# Altium PCB MINIBLDC.PcbDoc
Units mil, origin at the board's own origin, x right, y up, seen from the top; angles counter-clockwise.
Board outline 3475 x 2200 mil, 2 copper layers (Top Layer, Bottom Layer); 126 components, 113 nets, 397 pads, 154 vias.
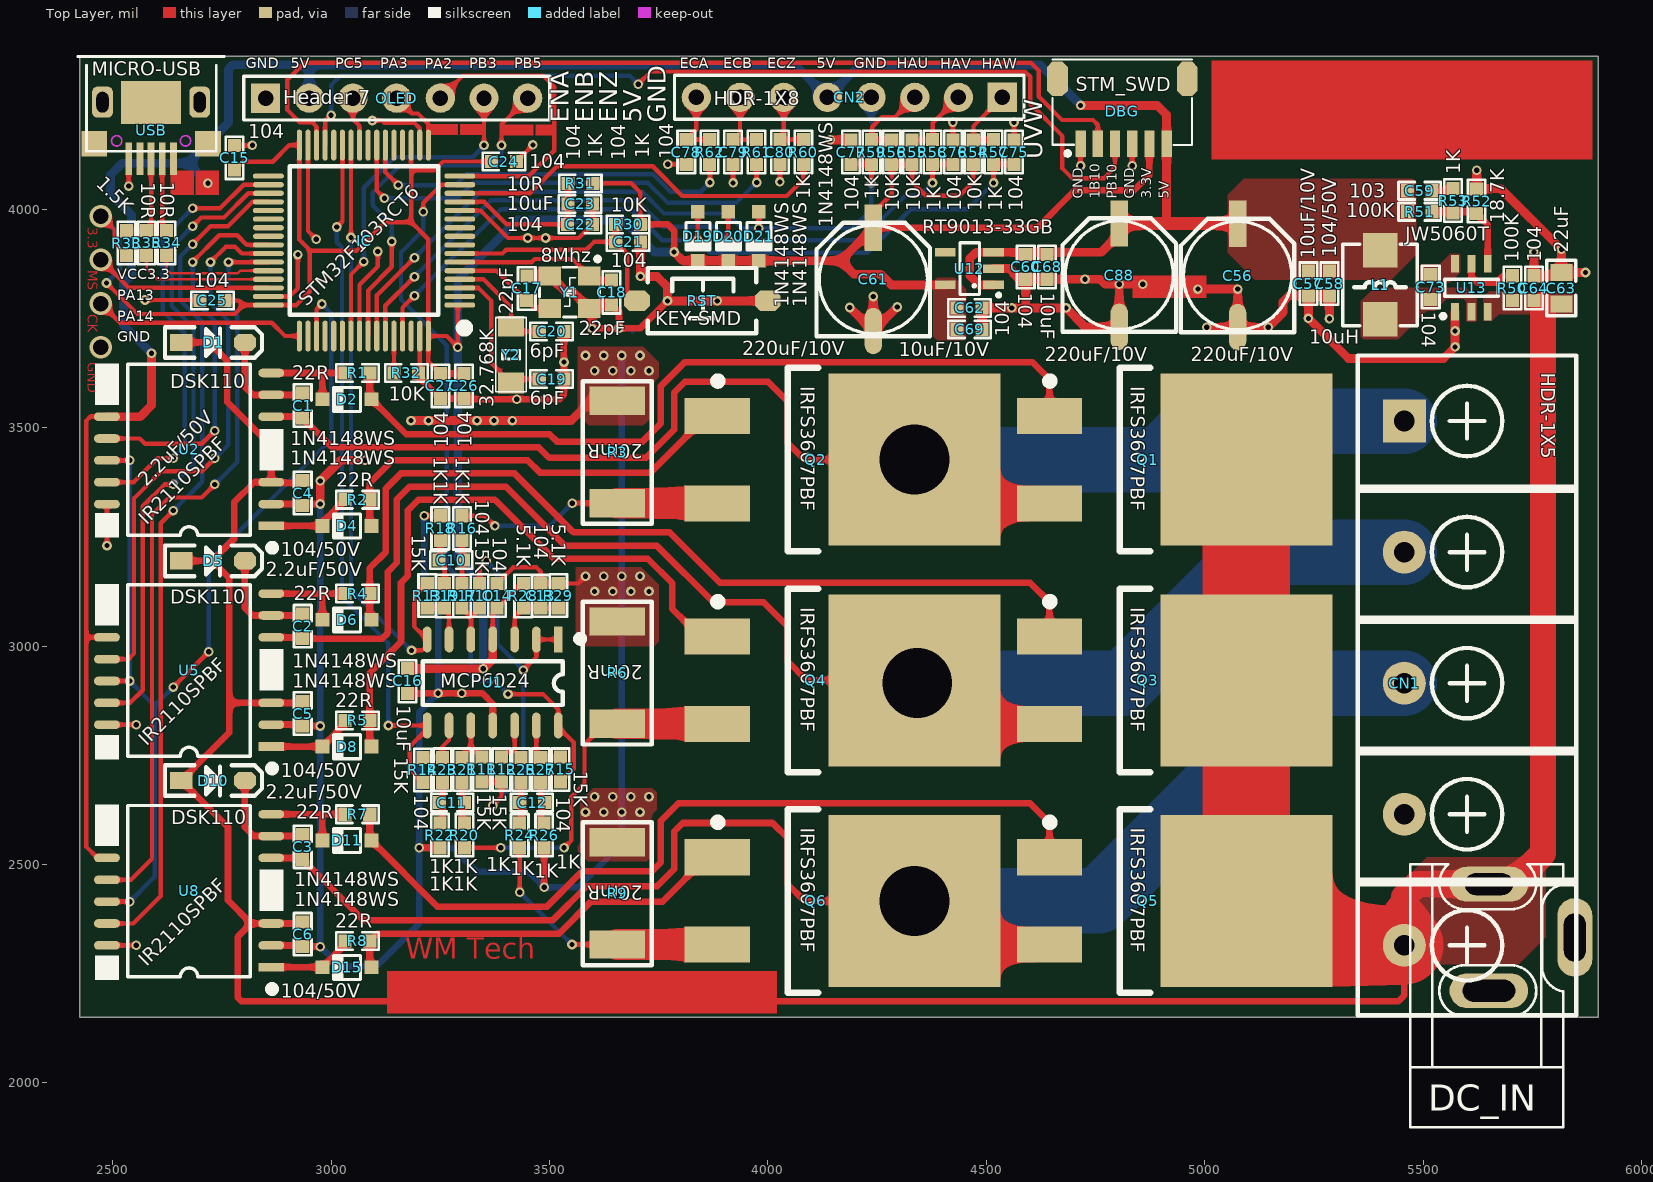
[diagram p0: Top Layer view]
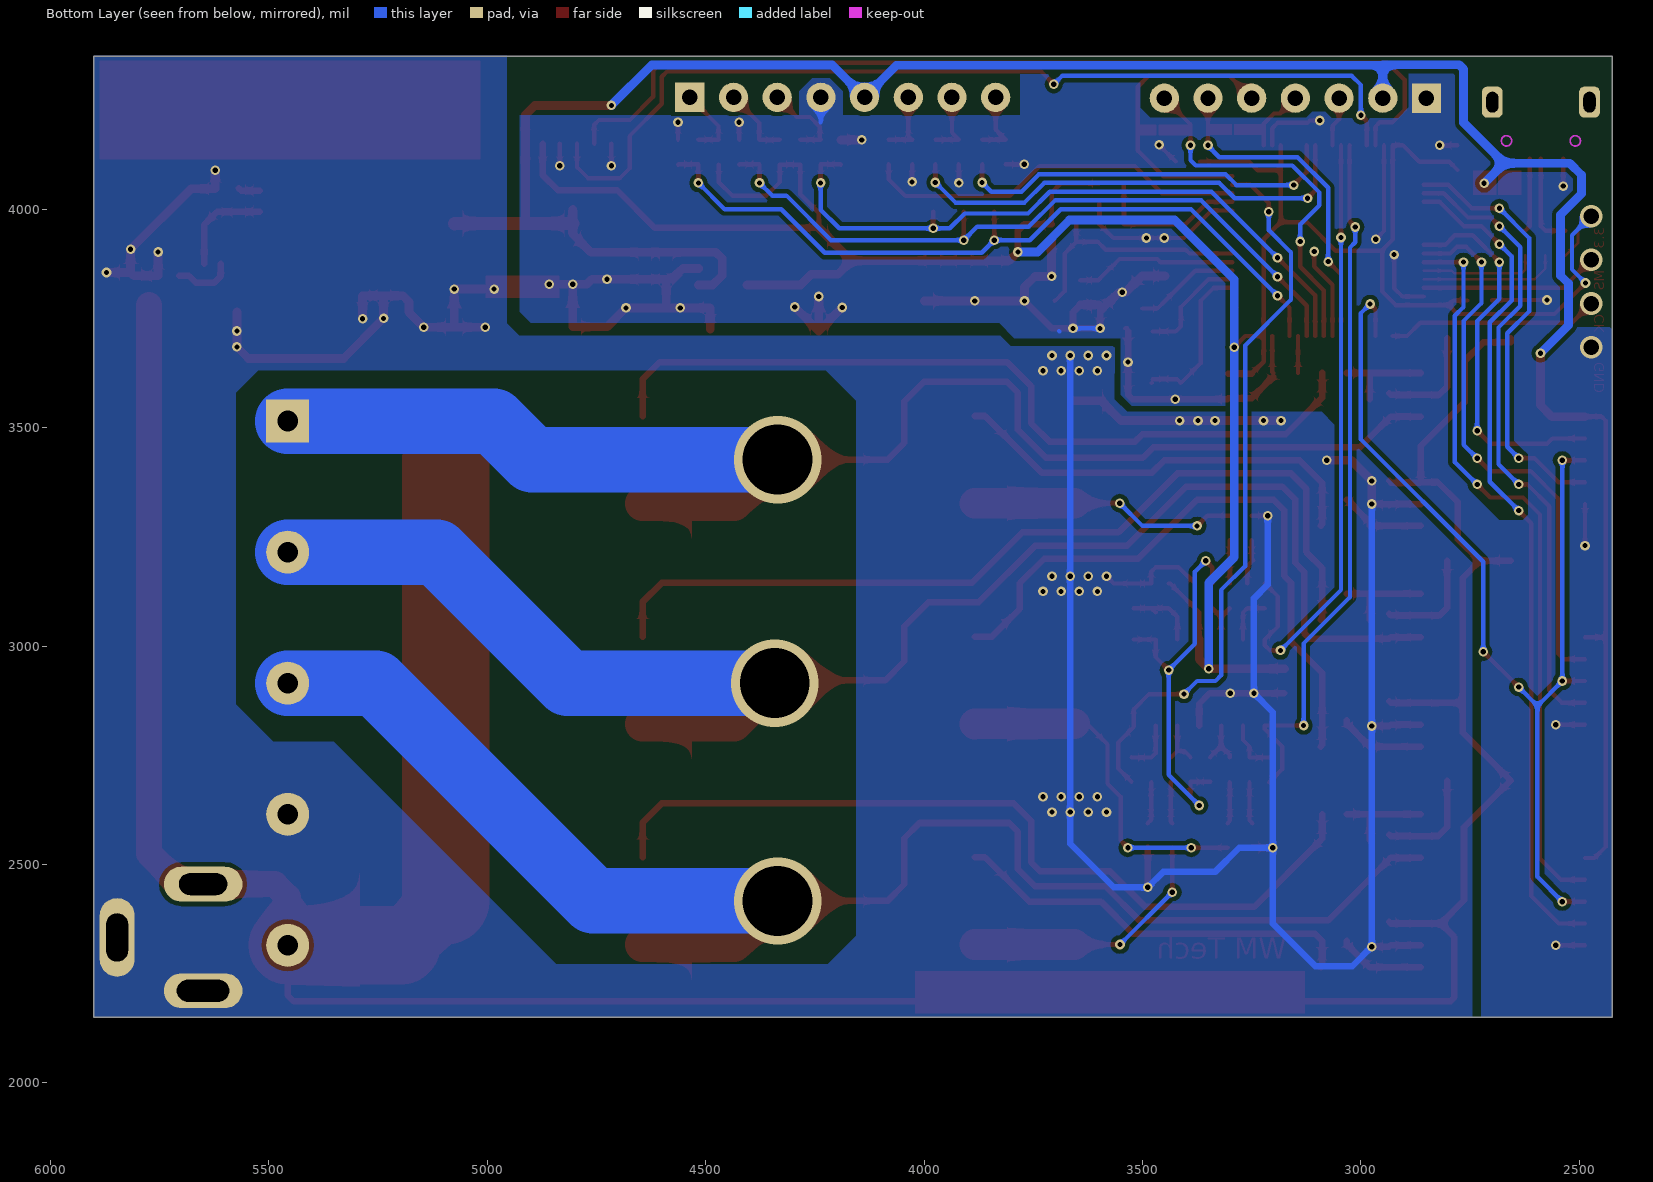
[diagram p1: Bottom Layer view, seen from below]

## Layer stack, top to bottom
Top Solder: solder mask 0.4, Solder Resist, Dk 3.5
Top Layer: signal copper 1.4
Dielectric 1: dielectric 12.6, FR-4, Dk 4.8
Bottom Layer: signal copper 1.4
Bottom Solder: solder mask 0.4, Solder Resist, Dk 3.5

## Board outline
2425,2150 5900,2150 5900,4350 2425,4350

## Design rules (kind name [scope] priority, off if disabled: settings)
Clearance [All] p1: gap=10 except(2: Arc-SMDPad Track-SMDPad SMDPad-SMDPad; 5: Arc-Track Track-Track)
HoleToHoleClearance [All] p1: gap=5 allowstackedmicrovias=TRUE
MinimumSolderMaskSliver [All] p1: minsoldermaskwidth=3
PlaneConnect [All] p1: planeconnectstyle=Direct reliefexpansion=20 reliefentries=4 reliefconductorwidth=10 reliefairgap=10
PolygonConnect [All] p1: connectstyle=Direct reliefconductorwidth=10 reliefentries=4 polygonreliefangle="90 Angle" airgapwidth=10
RoutingVias [All] p1: holewidth=12 width=22 viastyle="Through Hole" minholewidth=12 minwidth=22 maxholewidth=200 maxwidth=500
SilkToSilkClearance [All] p1: silktosilkclearance=2
SilkToSolderMaskClearance [IsPad] p1 off: minsilkscreentomaskgap=10 clearancetoexposedcopper=TRUE
SolderMaskExpansion [All] p1: expansion=4
Width [All] p1: maxlimit=500 minlimit=6 preferedwidth=10 minimp=50.000000 maximp=50.000000 favimp=50.000000
25 further rules are at their usual default settings.

## Components (designator, comment, footprint, x,y, rotation, side; value= is the part's Value field where it differs from the comment)
C1 "2.2uF/50V" "C 0603"#1 2935,3550 r90 top
C2 "2.2uF/50V" "C 0603"#1 2935,3045 r90 top
C3 "2.2uF/50V" "C 0603"#1 2935,2540 r90 top
C4 "104/50V" "C 0603"#1 2935,3350 r90 top
C5 "104/50V" "C 0603"#1 2935,2845 r90 top
C6 "104/50V" "C 0603"#1 2935,2340 r90 top
C10 "104" "C 0603"#2 3275,3196.57 r180 top
C11 "104" "C 0603"#2 3276.75,2641.57 r180 top
C12 "104" "C 0603"#2 3460,2641.57 r0 top
C13 "104" "C 0603"#2 3480,3115 r90 top
C14 "104" "C 0603"#2 3380,3115 r270 top
C15 "104" "C 0603"#1 2779,4118 r270 top
C16 "10uF" "C 0603"#2 3175,2920 r90 top
C17 "22pF" "C 0603"#1 3448,3819 r270 top
C18 "22pF" "C 0603"#1 3642,3809 r90 top
C19 "6pF" "C 0603"#1 3505,3611 r180 top
C20 "6pF" "C 0603"#1 3505,3720 r180 top
C21 "104" "C 0603"#1 3680,3925 r180 top
C22 "104" "C 0603"#1 3570,3965 r180 top
C23 "10uF" "C 0603"#1 3570.5,4011.94 r180 top
C24 "104" "C 0603"#1 3396,4109 r180 top
C25 "104" "C 0603"#1 2728,3791 r0 top
C26 "104" "C 0603"#1 3304,3595 r90 top
C27 "104" "C 0603"#1 3250,3595 r90 top
C56 "220uF/10V" "CM D(6.3*5.4)" 5075,3848 r90 top
C57 "10uF/10V" "C 0603"#1 5237,3830 r270 top
C58 "104/50V" "C 0603"#1 5285,3830 r270 top
C59 "103" "C 0603"#1 5492,4042 r180 top
C60 "104" "C 0603"#1 4590,3868 r270 top
C61 "220uF/10V" "CM D(6.3*5.4)" 4241,3839 r90 top
C62 "10uF/10V" "C 0603"#1 4461,3774 r0 top
C63 "22uF" "C 0805" 5816,3819 r90 top
C64 "104" "C 0603"#1 5753,3819 r90 top
C68 "10uF" "C 0603"#1 4639,3868 r270 top
C69 "104" "C 0603"#1 4461,3725 r0 top
C73 "104" "C 0603"#1 5517,3822 r270 top
C75 "104" "C 0603"#1 4563,4130 r90 top
C76 "104" "C 0603"#1 4423.12,4130 r90 top
C77 "104" "C 0603"#1 4190,4130 r90 top
C78 "104" "C 0603"#1 3813,4131 r270 top
C79 "104" "C 0603"#1 3920.16,4131 r270 top
C80 "104" "C 0603"#1 4027.32,4131 r270 top
C88 "220uF/10V" "CM D(6.3*5.4)" 4804,3849 r90 top
CN1 "HDR-1X5" KF7620-5P 5600,2915 r270 top
CN2 "HDR-1X8" HDR2.54-LI-8P 4186,4256 r180 top
D1 "DSK110" SOD-123F 2730,3695 r0 top
D2 "1N4148WS" SOD-323 3036.25,3565 r0 top
D4 "1N4148WS" SOD-323 3036.25,3275 r0 top
D5 "DSK110" SOD-123F 2730,3195 r0 top
D6 "1N4148WS" SOD-323 3036.25,3060 r0 top
D8 "1N4148WS" SOD-323 3036.25,2770 r0 top
D10 "DSK110" SOD-123F 2730,2692 r0 top
D11 "1N4148WS" SOD-323 3036.25,2555 r0 top
D15 "1N4148WS" SOD-323 3036.25,2265 r0 top
D19 "1N4148WS" SOD-323 3839,3938 r90 top
D20 "1N4148WS" SOD-323 3909,3938 r90 top
D21 "1N4148WS" SOD-323 3979,3938 r90 top
DBG "STM_SWD" SH1.0-6P 4715.52,4150 r0 top
DC_IN "POWER" DC10B 5820,2036 r90 top
IC "STM32F103RCT6" LQFP64-10*10 3075,3928 r90 top
L1 "10uH" L-SMD-0420 5401,3827 r90 top
OLED "Header 7" HDR2.54-M-LI-7P 3150,4254 r0 top
Q1 "IRFS3607PBF" TO263-3B 5095,3426.57 r270 top
Q2 "IRFS3607PBF" TO263-3B 4335,3426.57 r270 top
Q3 "IRFS3607PBF" TO263-3B 5095,2921.57 r270 top
Q4 "IRFS3607PBF" TO263-3B 4335,2921.57 r270 top
Q5 "IRFS3607PBF" TO263-3B 5095,2416.57 r270 top
Q6 "IRFS3607PBF" TO263-3B 4335,2416.57 r270 top
R1 "22R" "R 0603"#1 3060,3625 r0 top
R2 "22R" "R 0603"#1 3060,3335 r0 top
R3 "20mR" "R 2512_L" 3655,3445 r270 top
R4 "22R" "R 0603"#1 3060,3120 r0 top
R5 "22R" "R 0603"#1 3060,2830 r0 top
R6 "20mR" "R 2512_L" 3655,2940 r270 top
R7 "22R" "R 0603"#1 3060,2615 r0 top
R8 "22R" "R 0603"#1 3060,2325 r0 top
R9 "20mR" "R 2512_L" 3655,2435 r270 top
R10 "15K" "R 0603"#2 3340,3115 r90 top
R11 "15K" "R 0603"#2 3345.07,2717.57 r270 top
R12 "15K" "R 0603"#2 3390.05,2717.57 r270 top
R13 "15K" "R 0603"#2 3220,3115 r90 top
R14 "15K" "R 0603"#2 3210,2716.57 r270 top
R15 "15K" "R 0603"#2 3525,2717.57 r270 top
R16 "1K" "R 0603"#2 3300,3270 r270 top
R17 "1K" "R 0603"#2 3300,3115 r270 top
R18 "1K" "R 0603"#2 3250,3270 r270 top
R19 "1K" "R 0603"#2 3260,3115 r270 top
R20 "1K" "R 0603"#2 3304.94,2566.57 r90 top
R21 "1K" "R 0603"#2 3299.96,2716.57 r90 top
R22 "1K" "R 0603"#2 3248.94,2566.57 r90 top
R23 "1K" "R 0603"#2 3254.98,2716.57 r90 top
R24 "1K" "R 0603"#2 3431.69,2566.57 r90 top
R25 "1K" "R 0603"#2 3434.91,2716.57 r90 top
R26 "1K" "R 0603"#2 3487.69,2566.57 r90 top
R27 "1K" "R 0603"#2 3479.89,2716.57 r90 top
R28 "5.1K" "R 0603"#2 3440,3115 r270 top
R29 "5.1K" "R 0603"#2 3520,3115 r90 top
R30 "10K" "R 0603"#1 3680,3965 r180 top
R31 "10R" "R 0603"#1 3571,4059 r180 top
R32 "10K" "R 0603"#1 3172,3625 r0 top
R33 "1.5K" "R 0603"#1 2532,3922 r90 top
R34 "10R" "R 0603"#1 2623.59,3923 r270 top
R35 "10R" "R 0603"#1 2578,3923 r270 top
R50 "100K" "R 0603"#1 5704,3819 r90 top
R51 "100K" "R 0603"#1 5492,3994 r180 top
R52 "18.7K" "R 0603"#1 5622,4018 r90 top
R53 "1K" "R 0603"#1 5568,4019 r90 top
R54 "10K" "R 0603"#1 4469.75,4130 r90 top
R55 "10K" "R 0603"#1 4329.87,4130 r90 top
R56 "10K" "R 0603"#1 4283.25,4130 r90 top
R57 "1K" "R 0603"#1 4516.5,4131 r270 top
R58 "1K" "R 0603"#1 4376.63,4131 r270 top
R59 "1K" "R 0603"#1 4236.75,4131 r270 top
R60 "1K" "R 0603"#1 4080.9,4131 r270 top
R61 "1K" "R 0603"#1 3973.74,4131 r270 top
R62 "1K" "R 0603"#1 3866.58,4131 r270 top
RST "KEY-SMD" "TSW SMD-3*6*2.5" 3850,3790 r0 top
U1 "MCP6024" SOP14_L 3370,2916.57 r270 top
U2 "IR2110SPBF" SOP16W_L 2675,3450 r180 top locked
U5 "IR2110SPBF" SOP16W_L 2675,2945 r180 top locked
U8 "IR2110SPBF" SOP16W_L 2675,2440 r180 top locked
U12 "RT9013-33GB" SOT23-5N 4461,3864 r90 top
U13 "JW5060T" SOT23-6L 5610,3820 r0 top
USB "MICRO-USB" USB-AB-5S 2476.78,4244.85 r0 top
Y1 "8Mhz" XTAL-3225 3546,3810 r180 top
Y2 "32.768K" "OSC 3215-2P" 3412,3667 r90 top

## Footprints (in the part's own frame and the unit in brackets; to place one, negate y for a bottom-side part, rotate by r counter-clockwise, add the part's x,y. Pads: shape width x height; smd on the part's side, far side on the other; paste and mask are expansions set on the pad)
"C 0603"#1 [mil]
  rect 30x30 smd: 1(-28,0) 2(28.5,-0.06)
  silkscreen extent -48,-20 49,20, body extent -31,-16 31,16, height 32
"C 0603"#2 [mil]
  rect 30x30 smd: 1(-28.25,0) 2(28.25,0)
  silkscreen extent -48,-20 48,20, body extent -31,-16 32,16, height 32
"C 0805" [mil]
  rect 39.37x50 smd: 1(-36,0) 2(36,0)
  silkscreen extent -63,-33 64,33, body extent -39,-24 39,24, height 20
"CM D(6.3*5.4)" [mm] "贴片电解电容，直径6.3mm，高5.4mm"
  rect 2.7x1 smd: 1(3,0)
  oval 2.7x1 smd: 2(-3,0)
  silkscreen extent -3.3,-3.3 3.3,3.3, body extent -3.5,-3.3 3.5,3.3, height 5.4
DC10B [mil]
  oval 80x180 hole 50 slot 110 at 90 deg: 1(419.09,170)
  oval 80x180 hole 50 slot 120 at 90 deg: 2(175,170)
  oval 180x80 hole 50 slot 110 at 0 deg: 3(297.05,-26.85)
  silkscreen extent -138,0 465,350, body extent -131,-18 422,348, height 441
HDR2.54-LI-8P [mm] "排针，8脚"
  rect 1.7x1.7 hole 0.9: 1(-8.89,0)
  round 1.7 hole 0.9: 2(-6.35,0) 3(-3.81,0) 4(-1.27,0) 5(1.27,0) 6(3.81,0) 7(6.35,0) 8(8.89,0)
  silkscreen extent -10.16,-1.27 10.16,1.27, body extent -10.16,-1.27 10.16,1.27, height 8.5
HDR2.54-M-LI-7P [mm] "排母，7脚"
  rect 1.7x1.7 hole 0.9: 1(-7.62,0)
  round 1.7 hole 0.9: 2(-5.08,0) 3(-2.54,0) 4(0,0) 5(2.54,0) 6(5.08,0) 7(7.62,0)
  silkscreen extent -8.89,-1.27 8.89,1.27, body extent -8.89,-1.27 8.89,1.27, height 8.5
KF7620-5P [mm] "38.1*12*12mm(长宽高)"
  rect 2.5x2.5 hole 1.2: 1(-15.24,-3.65)
  round 2.5 hole 1.2: 2(-7.62,-3.65) 3(0,-3.65) 4(7.62,-3.65) 5(15.24,-3.65)
  silkscreen extent -19.05,-6.35 19.3,6.35, body extent -19.05,-6.2 19.75,6.2, height 12.45
L-SMD-0420 [mm]
  rect 2x2 smd: 1(-2,0) 2(2,0)
  silkscreen extent -2.39,-2.16 2.36,2.17, body extent -2.26,-2.06 2.24,2.04, height 1.91
LQFP64-10*10 [mm] "10x10mm，0.5mm（蒜米工坊）"
  oval 0.3x1.8 smd: 1(-3.75,-5.575) 2(-3.25,-5.575) 3(-2.75,-5.575) 4(-2.25,-5.575) 5(-1.75,-5.575) 6(-1.25,-5.575) 7(-0.75,-5.575) 8(-0.25,-5.575) 9(0.25,-5.575) 10(0.75,-5.575) 11(1.25,-5.575) 12(1.75,-5.575) 13(2.25,-5.575) 14(2.75,-5.575) 15(3.25,-5.575) 16(3.75,-5.575) 33(3.75,5.55) 34(3.25,5.55) 35(2.75,5.55) 36(2.25,5.55) 37(1.75,5.55) 38(1.25,5.55) 39(0.75,5.55) 40(0.25,5.55) 41(-0.25,5.55) 42(-0.75,5.55) 43(-1.25,5.55) 44(-1.75,5.55) 45(-2.25,5.55) 46(-2.75,5.55) 47(-3.25,5.55) 48(-3.75,5.55)
  oval 1.8x0.3 smd: 17(5.55,-3.75) 18(5.55,-3.25) 19(5.55,-2.75) 20(5.55,-2.25) 21(5.55,-1.75) 22(5.55,-1.25) 23(5.55,-0.75) 24(5.55,-0.25) 25(5.55,0.25) 26(5.55,0.75) 27(5.55,1.25) 28(5.55,1.75) 29(5.55,2.25) 30(5.55,2.75) 31(5.55,3.25) 32(5.55,3.75) 49(-5.55,3.75) 50(-5.55,3.25) 51(-5.55,2.75) 52(-5.55,2.25) 53(-5.55,1.75) 54(-5.55,1.25) 55(-5.55,0.75) 56(-5.55,0.25) 57(-5.55,-0.25) 58(-5.55,-0.75) 59(-5.55,-1.25) 60(-5.55,-1.75) 61(-5.55,-2.25) 62(-5.55,-2.75) 63(-5.55,-3.25) 64(-5.55,-3.75)
  silkscreen extent -5.33,-6.09 4.32,4.32, body extent -6,-6 6,6, height 1.45
"OSC 3215-2P" [mm] "3.2*1.5*0.6mm(长宽高)"
  rect 1.2x1.5 smd: 1(-1.65,0) 2(1.65,0)
  silkscreen extent -2.16,-0.89 2.16,0.89, body extent -1.6,-0.75 1.6,0.75, height 0.61
"R 0603"#1 [mil]
  rect 30x30 smd: 1(-28,0) 2(28.5,-0.06)
  silkscreen extent -48,-20 49,20, body extent -31,-16 31,16, height 16
"R 0603"#2 [mil]
  rect 30x30 smd: 1(-28.25,0) 2(28.25,0)
  silkscreen extent -48,-20 49,20, body extent -32,-16 31,16, height 16
"R 2512_L" [mm] "1W贴片电阻"
  rect 1.65x3.2 smd: 1(-2.95,0) 2(3,0)
  silkscreen extent -4.1,-2 4.2,2, body extent -3.2,-1.6 3.2,1.6, height 0.55
SH1.0-6P [mm]
  rect 0.6x1.55 smd: 1(0,0) 2(1,0) 3(2,0) 4(3,0) 5(4,0) 6(5,0)
  oct 1.2x2 smd: A(-1.346,3.759) B(6.21,3.759)
  silkscreen extent -1.63,-0.7 6.48,4.89
SOD-123F [mm] "2.7x1.6X1.1mm（长宽高，不包括引脚）"
  rect 1.3x1 smd: 1(-1.85,0)
  oct 1.3x1 smd: 2(1.85,0)
  silkscreen extent -2.79,-0.89 2.84,0.89, body extent -1.9,-0.8 1.9,0.8, height 1.15
SOD-323 [mm] "2.7x1.6X1.1mm（长宽高，不包括引脚）"
  rect 0.8x0.8 smd: 1(1.422,0) 2(-1.422,0)
  silkscreen extent -0.79,-0.74 0.79,0.69
SOP14_L [mm] "8.7*6.2*1.8mm（长宽高）"
  rect 1.5x0.5 smd: 1(-2.5,3.81)
  oval 1.5x0.5 smd: 2(-2.5,2.54) 3(-2.5,1.27) 4(-2.5,0) 5(-2.5,-1.27) 6(-2.5,-2.54) 7(-2.5,-3.81) 8(2.5,-3.81) 9(2.5,-2.54) 10(2.5,-1.27) 11(2.5,0) 12(2.5,1.27) 13(2.5,2.54) 14(2.5,3.81)
  silkscreen extent -2.69,-4.06 1.31,5.23, body extent -3,-4.35 3,4.35, height 1.9
SOP16W_L [mm] "10.3*10.3*2.6mm（长宽高）"
  rect 1.5x0.5 smd: 1(-4.775,4.445)
  oval 1.5x0.5 smd: 2(-4.775,3.175) 3(-4.775,1.905) 6(-4.775,-1.905) 7(-4.775,-3.175) 8(-4.775,-4.445) 11(4.775,-1.905) 12(4.775,-0.635) 13(4.775,0.635) 14(4.775,1.905) 15(4.775,3.175)
  silkscreen extent -4.98,-4.95 3.56,5.87, body extent -5.15,-5.15 5.15,5.15, height 2.7
SOT23-5N [mm] "3x1.6x1.1mm(长宽高)"
  rect 0.5x1.2 smd: 1(-0.95,-1.4) 2(0,-1.4) 3(0.95,-1.4) 4(0.95,1.4) 5(-0.95,1.4)
  silkscreen extent -1.63,-1.78 1.5,0.56, body extent -1.5,-1.4 1.5,1.4, height 1.15
SOT23-6L [mm] "3x1.6x1.1mm(长宽高)"
  rect 0.45x1 smd: 1(-0.95,-1.397) 2(0,-1.397) 3(0.95,-1.397) 4(0.95,1.397) 5(0,1.397) 6(-0.95,1.397)
  silkscreen extent -1.77,-1.78 1.55,0.51, body extent -1.5,-1.4 1.5,1.4, height 1.15
TO263-3B [mm] "263，3脚晶体管"
  rect 2.1x3.8 smd: 1(-2.54,-11.45) 3(2.54,-11.45)
  rect 10x10 smd: 2(0,0)
  silkscreen extent -5.33,-11.63 5.33,-5.59, body extent -5,-11.46 5,3.47, height 4.5
"TSW SMD-3*6*2.5" [mm]
  oct 1.5x1.2 smd: 1(-3.8,0) 2(3.8,0)
  silkscreen extent -3.18,-1.89 3.12,1.91, body extent -3.97,-1.74 4.03,1.76, height 2.59
USB-AB-5S [mm]
  rect 0.4x1.9 smd: 1(4.125,-3.286) 2(3.475,-3.286) 3(2.825,-3.286) 4(2.175,-3.286) 5(1.525,-3.286)
  rrect50% 1.2x1.8 hole 0.7 slot 1.2 at 90 deg: 6(5.65,0) 7(0,0)
  rect 1.5x1.5 smd: 8(-0.477,-2.422) 9(6.127,-2.422)
  rect 3.5x2.5 smd: 9(2.825,-0.009)
  Keep-Out Layer circle w0.102: c4.825,-2.25 r0.3
  Keep-Out Layer circle w0.102: c0.825,-2.25 r0.3
  silkscreen extent -1.44,-2.85 7.09,2.66, body extent -1.12,-2.92 6.88,2.68, height 2.8
XTAL-3225 [mm]
  rect 1.3x1.1 smd: 1(-1.15,-0.95) 2(1.15,-0.95) 3(1.15,0.95) 4(-1.15,0.95)
  silkscreen extent -1.75,-2.06 1.75,1.45, body extent -1.6,-1.24 1.6,1.26, height 0.8

## Part data
C1 C2 C3 C4 C5 C6 C57 C58 C59 C60 C62 C63 C64 C68 C69 C73 C75 C76 C77 C78 C79 C80: library part C, "无极性贴片电容"
C10 C11 C12 C13 C14 C16 C19 C20 C21 C22 C23 C24 C25 C26 C27: library part C
C15 C17 C18: library part CAP
C56 C61 C88: library part C-CM, "贴片电解电容"
CN1: library part "Header 5", "5P接插件"
CN2: library part "Header 8", "8P接插件"
D1 D5 D10: "通用二极管 100V-1A"
D2 D4 D6 D8 D11 D15: library part FR107, "通用二极管 700V-1A"
D19 D20 D21: library part RS1M, "通用二极管 1000V-1A"
DBG: library part HEAD6
DC_IN: library part P-DC, "低压电源接口"
IC: library part STM32F103RDT6
L1: library part L-CDRH, "功率屏蔽电感"
OLED: "Header, 7-Pin"
Q1 Q2 Q3 Q4 Q5 Q6: "NMOS 75V+80A 7.4mΩ"
R1 R2 R3 R4 R5 R6 R7 R8 R9 R50 R51 R52 R53 R54 R55 R56 R57 R58 R59 R60 R61 R62: library part R, "贴片电阻"
R10 R11 R12 R13 R14 R15 R16 R17 R18 R19 R20 R21 R22 R23 R24 R25 R26 R27 R28 R29 R30 R31 R32 R33 R34 R35: library part R
RST: library part S-KEY-SMD-324225, "KEY,SMD,324225"
U2 U5 U8: "半桥驱动 500V,10-20V  Ton/off=120ns&94ns MT=10nS"
U12: library part "LDO RT9193", "LDO"
U13: library part "DC JW5060T_6", "DC降压芯片"
USB: library part J-MICRO-USB-5S, "Micro USB 5.9有柱脚长1.25加长针"
Y1: library part XTAL_3225, "3225贴片无源晶振"
Y2: library part XTAL, "Crystal Oscillator"

## Via types
v1: diameter 22, hole 12, Top Layer to Bottom Layer, 147 vias
v2: diameter 52, hole 35.43, Top Layer to Bottom Layer, 4 vias
v3: diameter 200, hole 160, Top Layer to Bottom Layer, 3 vias
